# Altium PCB MiniSystem-Pcb-All.PcbDoc (part 6 of 8)
Units mil, origin at the board's own origin, x right, y up, seen from the top; angles counter-clockwise.
Board outline 1732.28 x 669.29 mil, 2 copper layers (Top Layer, Bottom Layer); 690 components, 49 nets, 1630 pads, 330 vias.
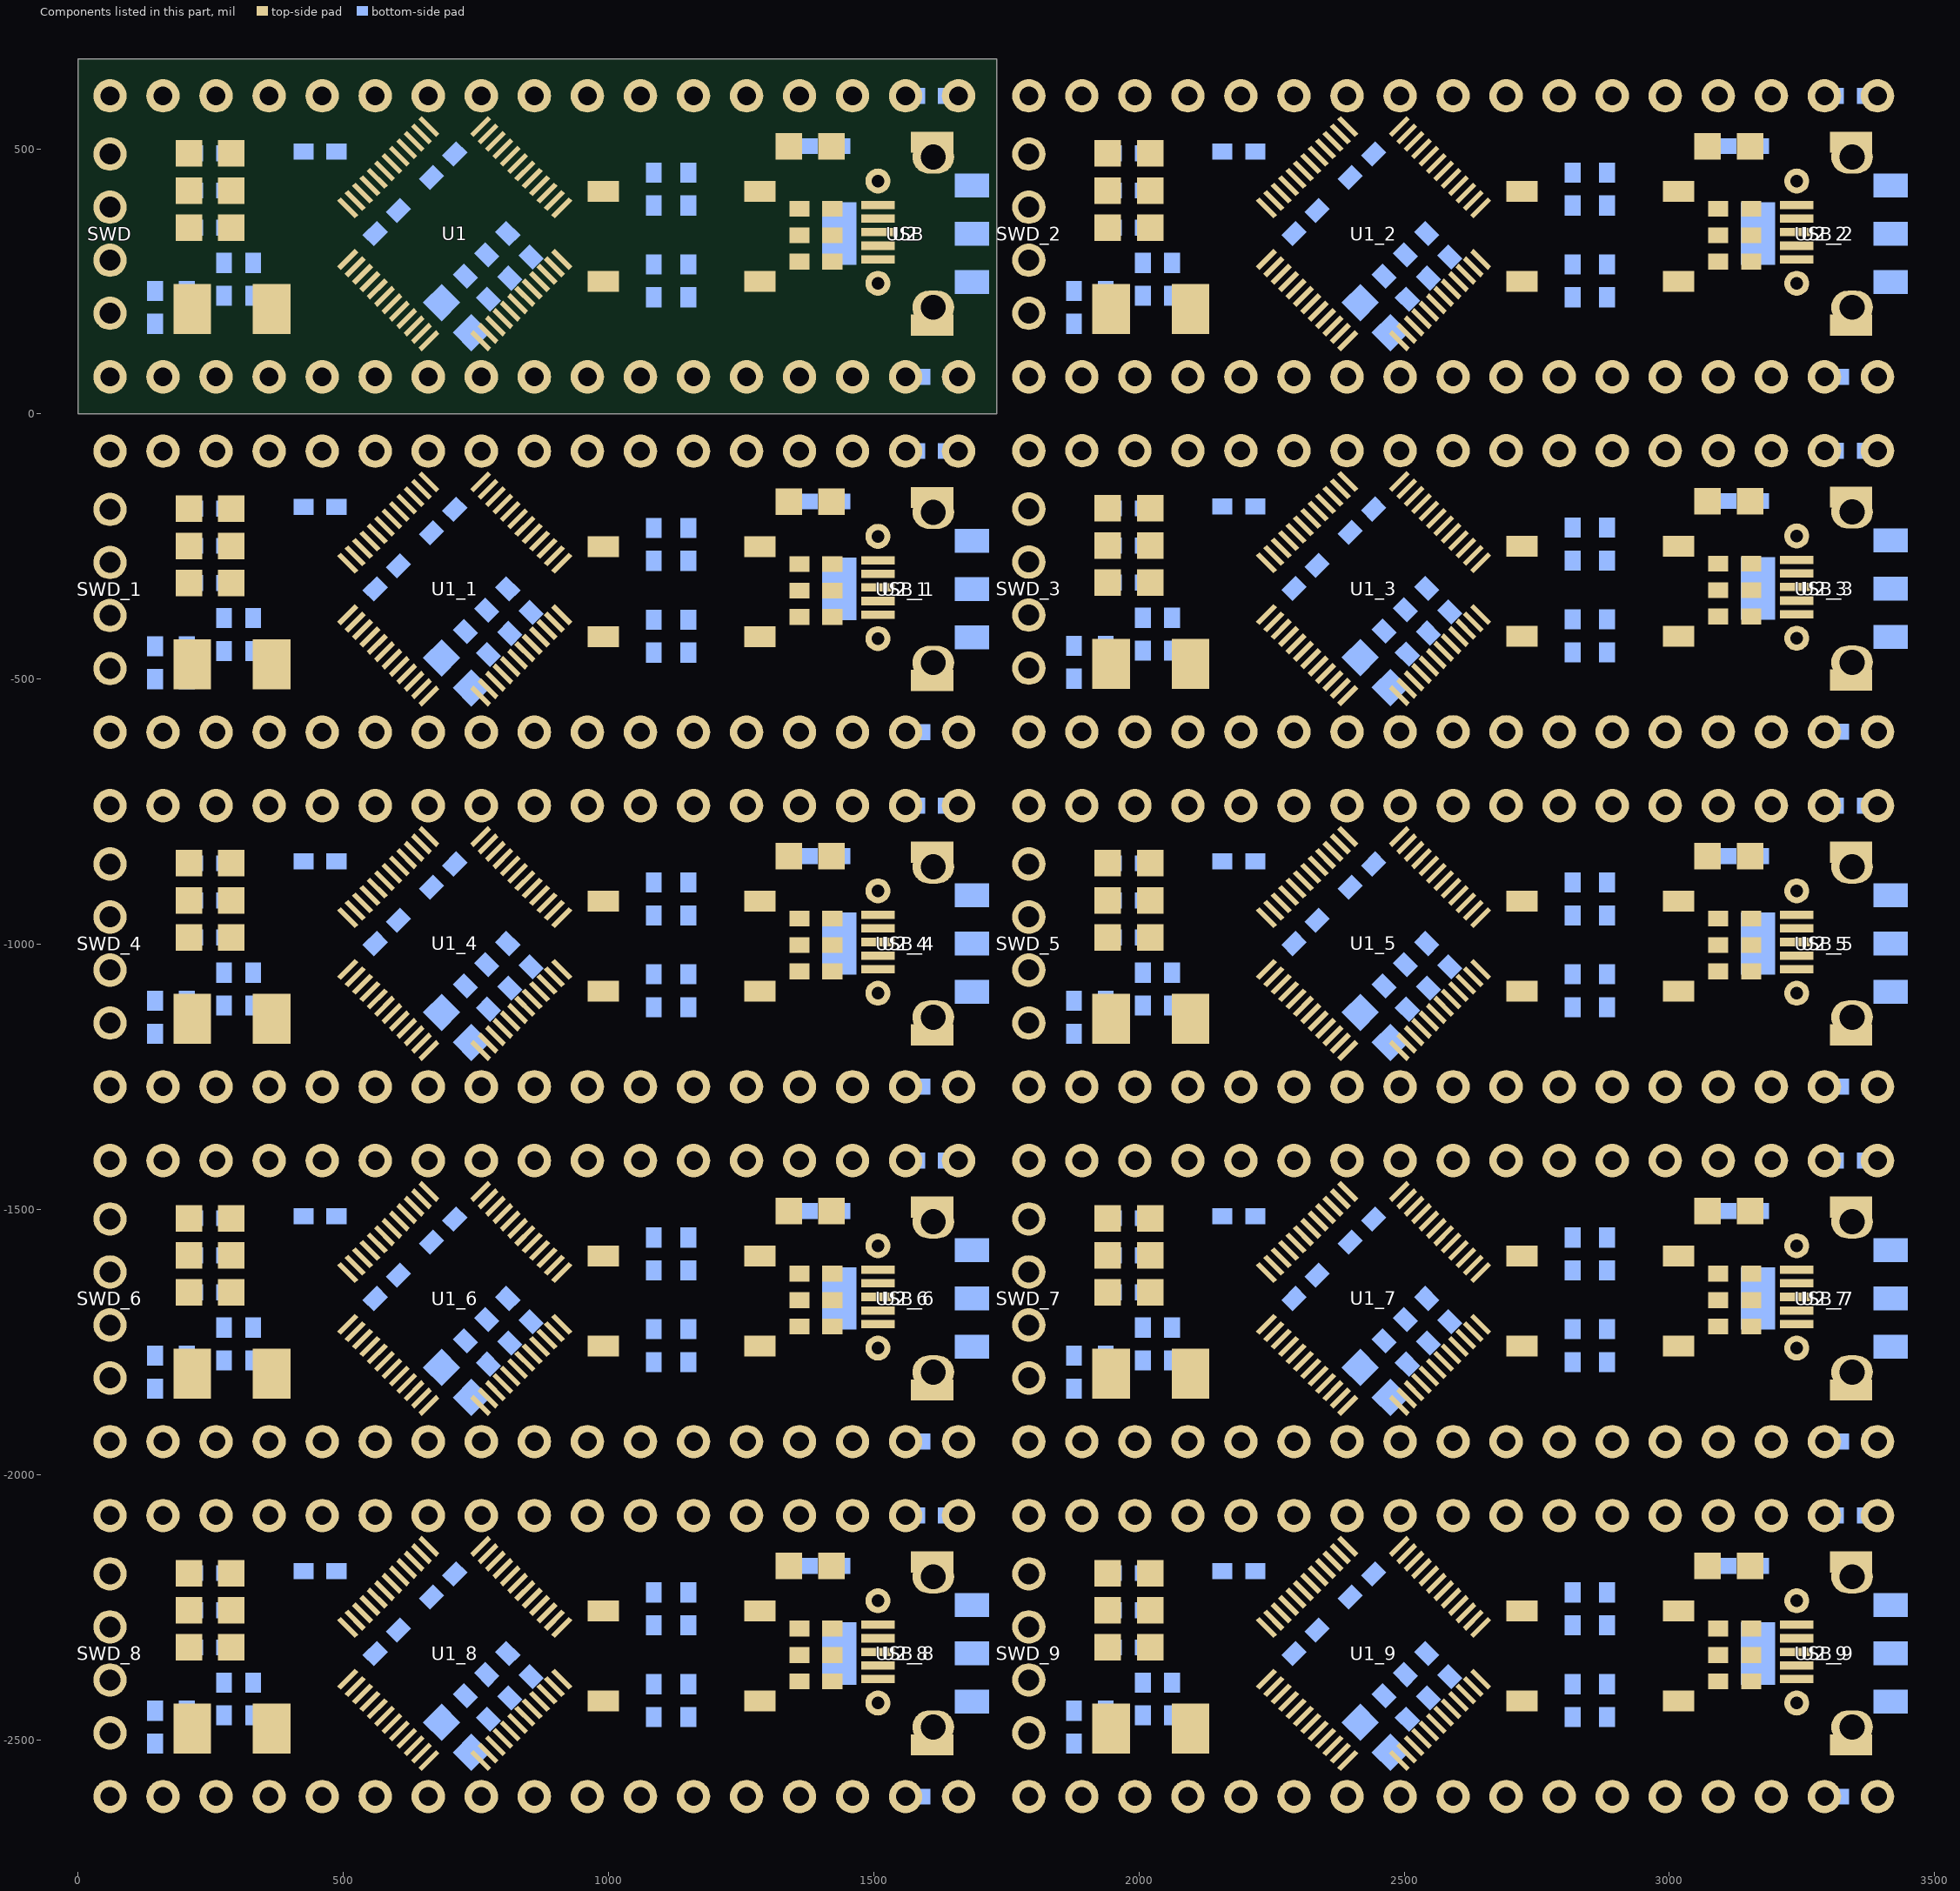
[diagram p6: the components of this part, seen from the top]

## Via types
v1: diameter 24, hole 12, Top Layer to Bottom Layer, 320 vias
v2: diameter 50, hole 30, Top Layer to Bottom Layer, 10 vias

## Nets (pads, with @x,y where several pads share a name; then routed paths per layer and width w, separated by ;. In a path a pad name is that pad's centre, name@x,y a point inside that pad or via, vN(x,y) a via of type N, cw(c..) or ccw(c..) an arc to the next point about the centre after c; other vN are vias at no path point) (continued)
copper on no net: (continued)
  Bottom Layer w8: 330,-2454.17 357,-2454.17 360,-2457.17 v1(360,-2477.17) ; 330,-1784.87 357,-1784.87 360,-1787.87 v1(360,-1807.87) ; 330,-1115.58 357,-1115.58 360,-1118.58 v1(360,-1138.58) ; 330,-447 357,-447 360,-450 v1(360,-470) ; 337.78,-2461.94 cw(c356.56,-2480.72) 356.56,-2454.17 cw(c356.56,-2427.61) 337.78,-2446.39 ; 337.78,-1792.65 cw(c356.56,-1811.43) 356.56,-1784.87 cw(c356.56,-1758.32) 337.78,-1777.1 ; 337.78,-1123.36 cw(c356.56,-1142.14) 356.56,-1115.58 cw(c356.56,-1089.03) 337.78,-1107.8 ; 337.78,-454.78 cw(c356.56,-473.56) 356.56,-447 cw(c356.56,-420.44) 337.78,-439.22 ; v1@354.34,-2471.51 ccw(c340.69,-2457.85) 360,-2457.85 ccw(c379.31,-2457.85) v1@365.66,-2471.51 ; v1@354.34,-1802.22 ccw(c340.69,-1788.56) 360,-1788.56 ccw(c379.31,-1788.56) v1@365.66,-1802.22 ; v1@354.34,-1132.93 ccw(c340.69,-1119.27) 360,-1119.27 ccw(c379.31,-1119.27) v1@365.66,-1132.93 ; v1@354.34,-464.34 ccw(c340.69,-450.69) 360,-450.69 ccw(c379.31,-450.69) v1@365.66,-464.34 ; v1@778.24,-2235.17 cw(c778.24,-2254.48) 791.9,-2240.82 cw(c805.56,-2227.17) v1@786.24,-2227.17 ; v1(778.24,-2227.17) 885.36,-2334.28 949.11,-2334.28 v1(971,-2356.17) ; v1@778.24,-1565.87 cw(c778.24,-1585.19) 791.9,-1571.53 cw(c805.56,-1557.87) v1@786.24,-1557.87 ; v1(778.24,-1557.87) 885.36,-1664.99 949.11,-1664.99 v1(971,-1686.87) ; v1@778.24,-896.58 cw(c778.24,-915.9) 791.9,-902.24 cw(c805.56,-888.58) v1@786.24,-888.58 ; v1(778.24,-888.58) 885.36,-995.7 949.11,-995.7 v1(971,-1017.58) ; v1@778.24,-228 cw(c778.24,-247.31) 791.9,-233.66 cw(c805.56,-220) v1@786.24,-220 ; v1(778.24,-220) 885.36,-327.11 949.11,-327.11 v1(971,-349) ; v1@827.4,-2142.17 cw(c808.09,-2142.17) 821.75,-2155.82 cw(c835.4,-2169.48) v1@835.4,-2150.17 ; v1@827.4,-1472.87 cw(c808.09,-1472.87) 821.75,-1486.53 cw(c835.4,-1500.19) v1@835.4,-1480.87 ; v1@827.4,-803.58 cw(c808.09,-803.58) 821.75,-817.24 cw(c835.4,-830.9) v1@835.4,-811.58 ; v1@827.4,-135 cw(c808.09,-135) 821.75,-148.66 cw(c835.4,-162.31) v1@835.4,-143 ; v1(835.4,-2142.17) 805,-2172.57 805,-2231.3 891.98,-2318.28 v1(971.11,-2318.28) ; v1(835.4,-1472.87) 805,-1503.28 805,-1562 891.98,-1648.99 v1(971.11,-1648.99) ; v1(835.4,-803.58) 805,-833.99 805,-892.71 891.98,-979.7 v1(971.11,-979.7) ; v1(835.4,-135) 805,-165.4 805,-224.13 891.98,-311.11 v1(971.11,-311.11) ; v1@963,-2356.17 ccw(c943.69,-2356.17) 957.34,-2342.51 ccw(c971,-2328.85) v1@971,-2348.17 ; v1@963,-1686.87 ccw(c943.69,-1686.87) 957.34,-1673.22 ccw(c971,-1659.56) v1@971,-1678.87 ; v1@963,-1017.58 ccw(c943.69,-1017.58) 957.34,-1003.93 ccw(c971,-990.27) v1@971,-1009.58 ; v1@963,-349 ccw(c943.69,-349) 957.34,-335.34 ccw(c971,-321.69) v1@971,-341 ; v1@965.46,-2323.94 ccw(c951.8,-2337.59) 951.8,-2318.28 ccw(c951.8,-2298.97) v1@965.46,-2312.62 ; v1@965.46,-1654.64 ccw(c951.8,-1668.3) 951.8,-1648.99 ccw(c951.8,-1629.67) v1@965.46,-1643.33 ; v1@965.46,-985.35 ccw(c951.8,-999.01) 951.8,-979.7 ccw(c951.8,-960.38) v1@965.46,-974.04 ; v1@965.46,-316.77 ccw(c951.8,-330.43) 951.8,-311.11 ccw(c951.8,-291.8) v1@965.46,-305.46 ; 2062.28,-2454.17 2089.28,-2454.17 2092.28,-2457.17 v1(2092.28,-2477.17) ; 2062.28,-1784.87 2089.28,-1784.87 2092.28,-1787.87 v1(2092.28,-1807.87) ; 2062.28,-1115.58 2089.28,-1115.58 2092.28,-1118.58 v1(2092.28,-1138.58) ; 2062.28,-446.29 2089.28,-446.29 2092.28,-449.29 v1(2092.28,-469.29) ; 2062.28,223 2089.28,223 2092.28,220 v1(2092.28,200) ; 2070.06,-2461.94 cw(c2088.84,-2480.72) 2088.84,-2454.17 cw(c2088.84,-2427.61) 2070.06,-2446.39 ; 2070.06,-1792.65 cw(c2088.84,-1811.43) 2088.84,-1784.87 cw(c2088.84,-1758.32) 2070.06,-1777.1 ; 2070.06,-1123.36 cw(c2088.84,-1142.14) 2088.84,-1115.58 cw(c2088.84,-1089.03) 2070.06,-1107.8 ; 2070.06,-454.07 cw(c2088.84,-472.85) 2088.84,-446.29 cw(c2088.84,-419.74) 2070.06,-438.51 ; 2070.06,215.22 cw(c2088.84,196.44) 2088.84,223 cw(c2088.84,249.56) 2070.06,230.78 ; v1@2086.63,-2471.51 ccw(c2072.97,-2457.85) 2092.28,-2457.85 ccw(c2111.6,-2457.85) v1@2097.94,-2471.51 ; v1@2086.63,-1802.22 ccw(c2072.97,-1788.56) 2092.28,-1788.56 ccw(c2111.6,-1788.56) v1@2097.94,-1802.22 ; v1@2086.63,-1132.93 ccw(c2072.97,-1119.27) 2092.28,-1119.27 ccw(c2111.6,-1119.27) v1@2097.94,-1132.93 ; v1@2086.63,-463.63 ccw(c2072.97,-449.98) 2092.28,-449.98 ccw(c2111.6,-449.98) v1@2097.94,-463.63 ; v1@2086.63,205.66 ccw(c2072.97,219.31) 2092.28,219.31 ccw(c2111.6,219.31) v1@2097.94,205.66 ; v1@2510.53,-2235.17 cw(c2510.53,-2254.48) 2524.18,-2240.82 cw(c2537.84,-2227.17) v1@2518.53,-2227.17 ; v1(2510.53,-2227.17) 2617.64,-2334.28 2681.4,-2334.28 v1(2703.28,-2356.17) ; v1@2510.53,-1565.87 cw(c2510.53,-1585.19) 2524.18,-1571.53 cw(c2537.84,-1557.87) v1@2518.53,-1557.87 ; v1(2510.53,-1557.87) 2617.64,-1664.99 2681.4,-1664.99 v1(2703.28,-1686.87) ; v1@2510.53,-896.58 cw(c2510.53,-915.9) 2524.18,-902.24 cw(c2537.84,-888.58) v1@2518.53,-888.58 ; v1(2510.53,-888.58) 2617.64,-995.7 2681.4,-995.7 v1(2703.28,-1017.58) ; v1@2510.53,-227.29 cw(c2510.53,-246.61) 2524.18,-232.95 cw(c2537.84,-219.29) v1@2518.53,-219.29 ; v1(2510.53,-219.29) 2617.64,-326.41 2681.4,-326.41 v1(2703.28,-348.29) ; v1@2510.53,442 cw(c2510.53,422.69) 2524.18,436.34 cw(c2537.84,450) v1@2518.53,450 ; v1(2510.53,450) 2617.64,342.89 2681.4,342.89 v1(2703.28,321) ; v1@2559.69,-2142.17 cw(c2540.37,-2142.17) 2554.03,-2155.82 cw(c2567.69,-2169.48) v1@2567.69,-2150.17 ; v1@2559.69,-1472.87 cw(c2540.37,-1472.87) 2554.03,-1486.53 cw(c2567.69,-1500.19) v1@2567.69,-1480.87 ; v1@2559.69,-803.58 cw(c2540.37,-803.58) 2554.03,-817.24 cw(c2567.69,-830.9) v1@2567.69,-811.58 ; v1@2559.69,-134.29 cw(c2540.37,-134.29) 2554.03,-147.95 cw(c2567.69,-161.61) v1@2567.69,-142.29 ; v1@2559.69,535 cw(c2540.37,535) 2554.03,521.34 cw(c2567.69,507.69) v1@2567.69,527 ; v1(2567.69,-2142.17) 2537.28,-2172.57 2537.28,-2231.3 2624.27,-2318.28 v1(2703.4,-2318.28) ; v1(2567.69,-1472.87) 2537.28,-1503.28 2537.28,-1562 2624.27,-1648.99 v1(2703.4,-1648.99) ; v1(2567.69,-803.58) 2537.28,-833.99 2537.28,-892.71 2624.27,-979.7 v1(2703.4,-979.7) ; v1(2567.69,-134.29) 2537.28,-164.69 2537.28,-223.42 2624.27,-310.41 v1(2703.4,-310.41) ; v1(2567.69,535) 2537.28,504.6 2537.28,445.87 2624.27,358.89 v1(2703.4,358.89) ; v1@2695.28,-2356.17 ccw(c2675.97,-2356.17) 2689.63,-2342.51 ccw(c2703.28,-2328.85) v1@2703.28,-2348.17 ; v1@2695.28,-1686.87 ccw(c2675.97,-1686.87) 2689.63,-1673.22 ccw(c2703.28,-1659.56) v1@2703.28,-1678.87 ; v1@2695.28,-1017.58 ccw(c2675.97,-1017.58) 2689.63,-1003.93 ccw(c2703.28,-990.27) v1@2703.28,-1009.58 ; v1@2695.28,-348.29 ccw(c2675.97,-348.29) 2689.63,-334.63 ccw(c2703.28,-320.98) v1@2703.28,-340.29 ; v1@2695.28,321 ccw(c2675.97,321) 2689.63,334.66 ccw(c2703.28,348.31) v1@2703.28,329 ; v1@2697.74,-2323.94 ccw(c2684.08,-2337.59) 2684.08,-2318.28 ccw(c2684.08,-2298.97) v1@2697.74,-2312.62 ; v1@2697.74,-1654.64 ccw(c2684.08,-1668.3) 2684.08,-1648.99 ccw(c2684.08,-1629.67) v1@2697.74,-1643.33 ; v1@2697.74,-985.35 ccw(c2684.08,-999.01) 2684.08,-979.7 ccw(c2684.08,-960.38) v1@2697.74,-974.04 ; v1@2697.74,-316.06 ccw(c2684.08,-329.72) 2684.08,-310.41 ccw(c2684.08,-291.09) v1@2697.74,-304.75 ; v1@2697.74,353.23 ccw(c2684.08,339.57) 2684.08,358.89 ccw(c2684.08,378.2) v1@2697.74,364.54